# Altium PCB 4G_V4.2_5X4.PcbDoc (part 2 of 5)
Units mm, origin at the board's own origin, x right, y up, seen from the top; angles counter-clockwise.
Board outline 35.5 x 48 mm, 2 copper layers (Top Layer, Bottom Layer); 800 components, 0 nets, 5412 pads, 900 vias.
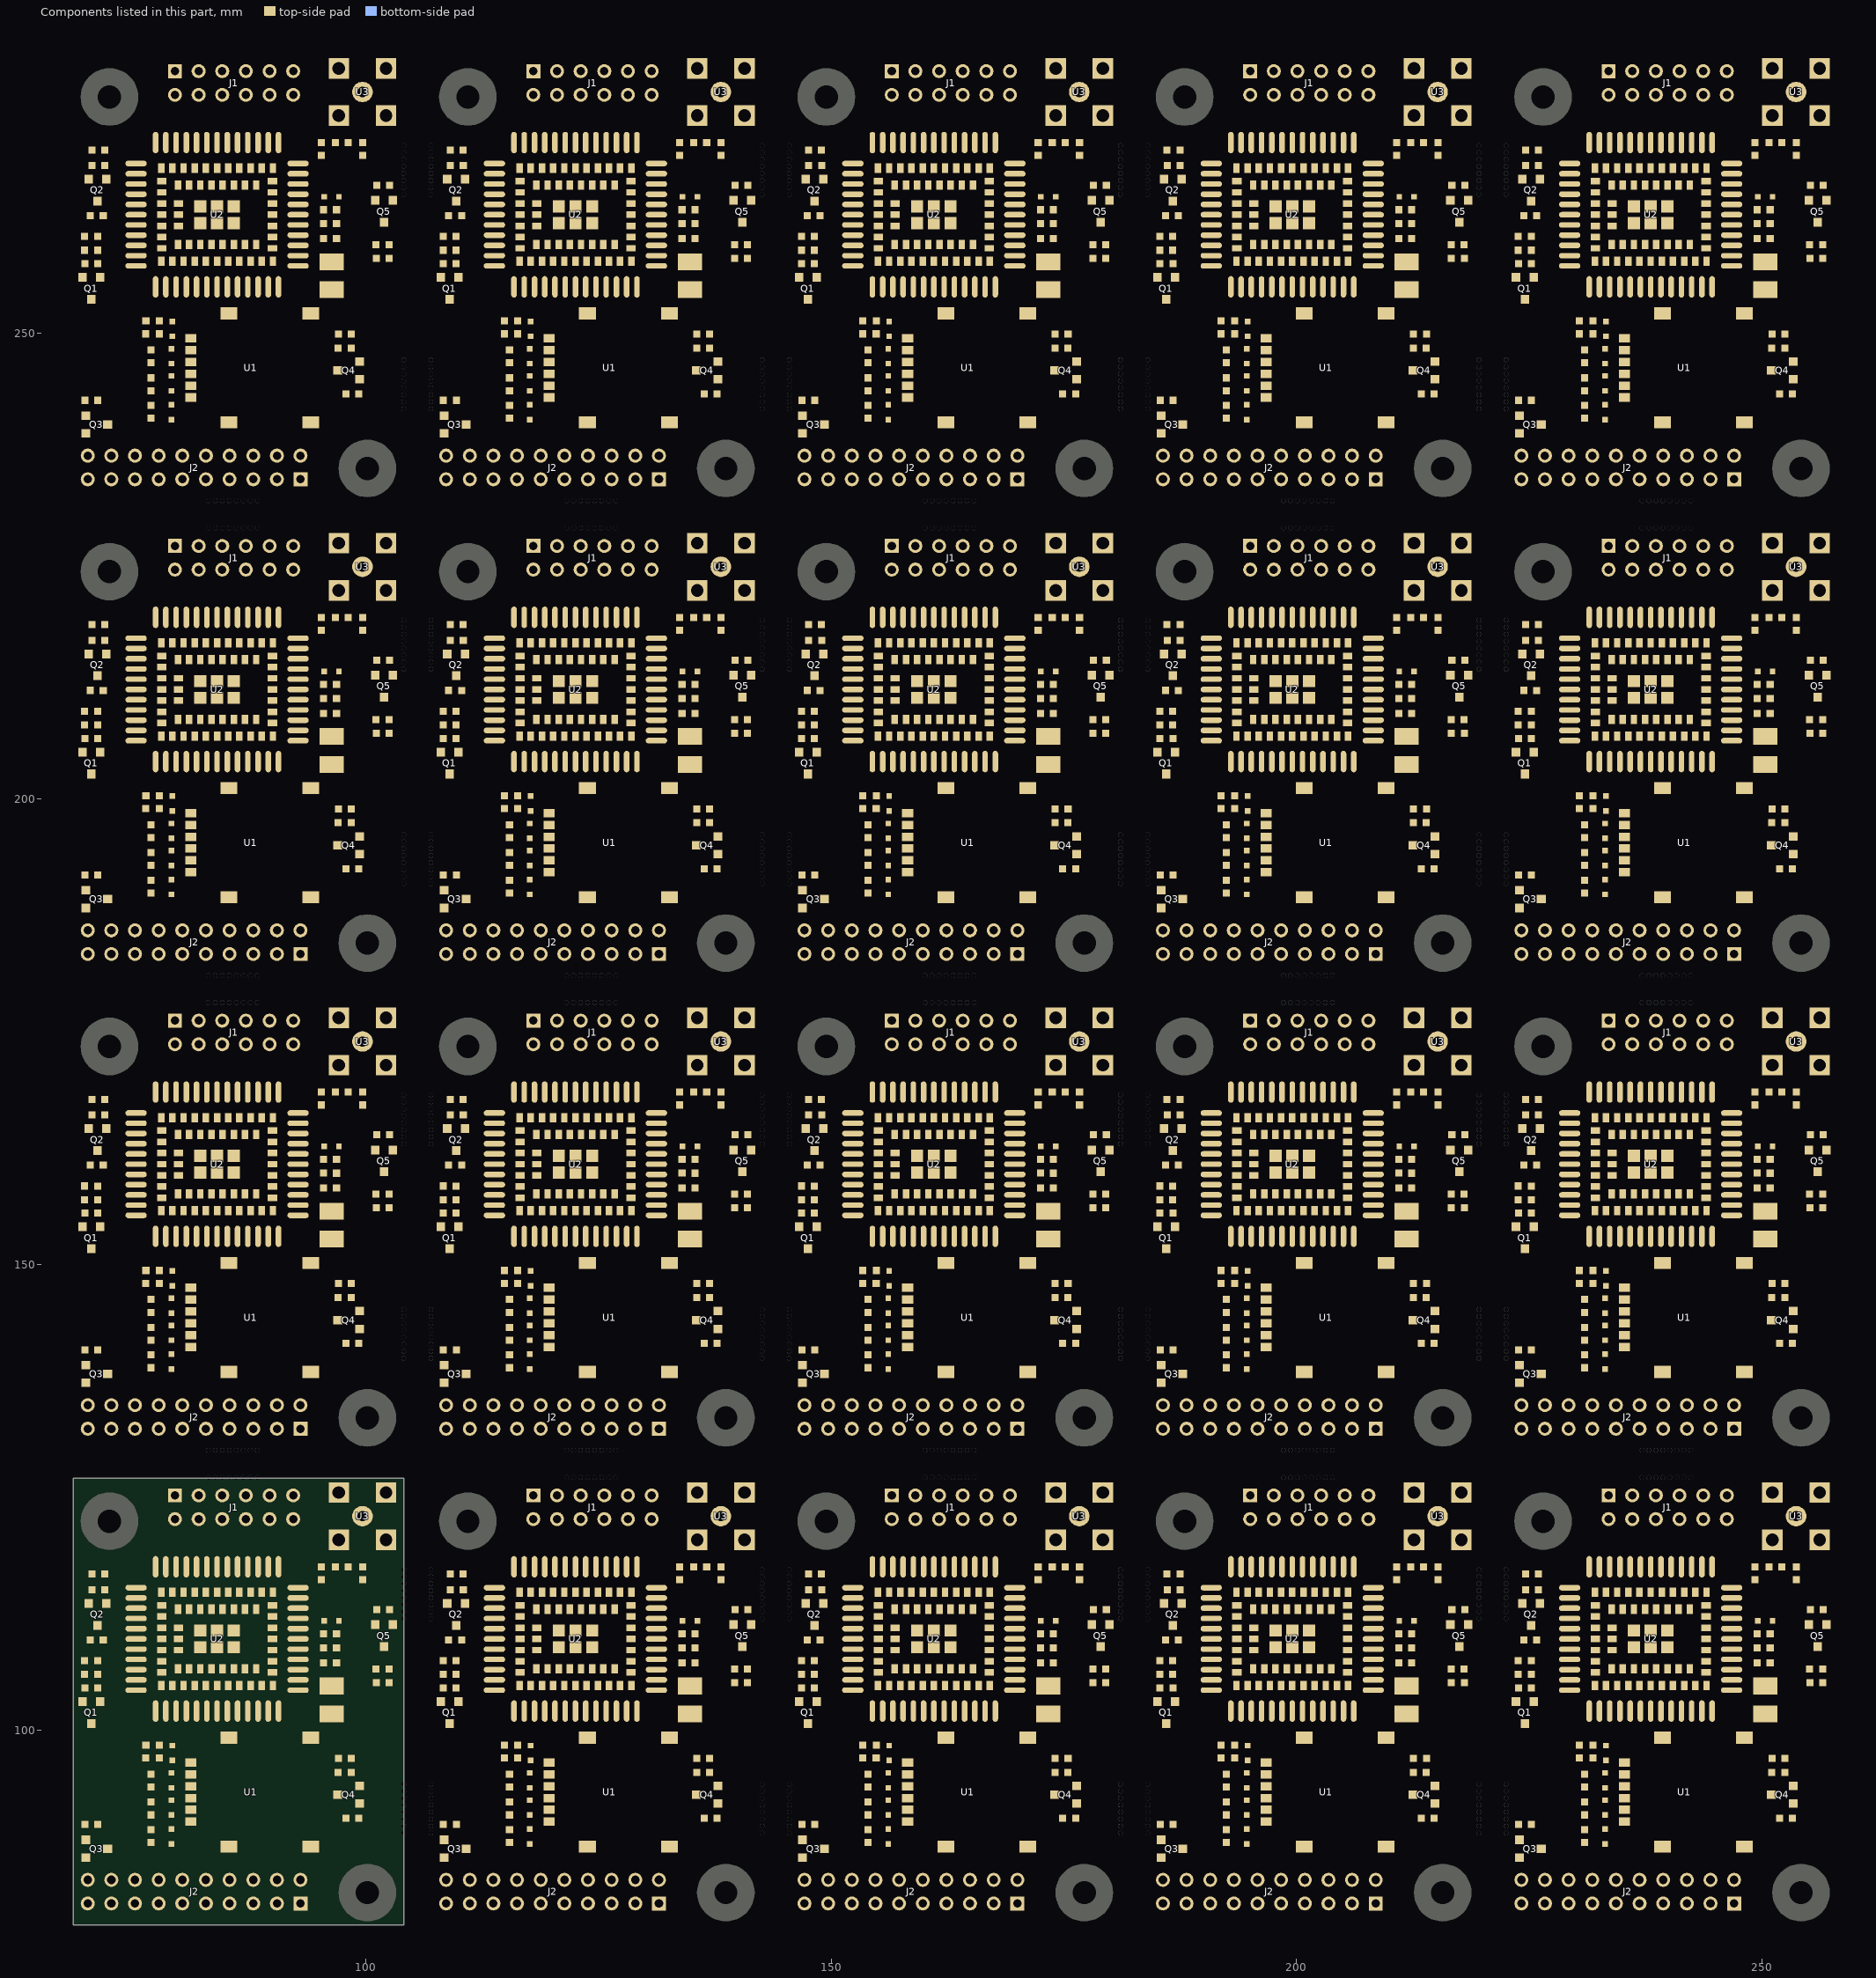
[diagram p2: the components of this part, seen from the top]

## Part data
C1 C1 C1 C1 C1 C1 C1 C1 C1 C1 C1 C1 C1 C1 C1 C1 C1 C1 C1 C1 C2 C2 C2 C2 C2 C2 C2 C2 C2 C2 C2 C2 C2 C2 C2 C2 C2 C2 C2 C2 C3 C3 C3 C3 C3 C3 C3 C3 C3 C3 C3 C3 C3 C3 C3 C3 C3 C3 C3 C3 C4 C4 C4 C4 C4 C4 C4 C4 C4 C4 C4 C4 C4 C4 C4 C4 C4 C4 C4 C4 C5 C5 C5 C5 C5 C5 C5 C5 C5 C5 C5 C5 C5 C5 C5 C5 C5 C5 C5 C5 C6 C6 C6 C6 C6 C6 C6 C6 C6 C6 C6 C6 C6 C6 C6 C6 C6 C6 C6 C6 C7 C7 C7 C7 C7 C7 C7 C7 C7 C7 C7 C7 C7 C7 C7 C7 C7 C7 C7 C7 C8 C8 C8 C8 C8 C8 C8 C8 C8 C8 C8 C8 C8 C8 C8 C8 C8 C8 C8 C8 C10 C10 C10 C10 C10 C10 C10 C10 C10 C10 C10 C10 C10 C10 C10 C10 C10 C10 C10 C10 C11 C11 C11 C11 C11 C11 C11 C11 C11 C11 C11 C11 C11 C11 C11 C11 C11 C11 C11 C11 C12 C12 C12 C12 C12 C12 C12 C12 C12 C12 C12 C12 C12 C12 C12 C12 C12 C12 C12 C12: library part CAP, "无极性电容"
C9 C9 C9 C9 C9 C9 C9 C9 C9 C9 C9 C9 C9 C9 C9 C9 C9 C9 C9 C9: library part "CAP POLAR", "钽电容"
D1 D1 D1 D1 D1 D1 D1 D1 D1 D1 D1 D1 D1 D1 D1 D1 D1 D1 D1 D1 D2 D2 D2 D2 D2 D2 D2 D2 D2 D2 D2 D2 D2 D2 D2 D2 D2 D2 D2 D2 D3 D3 D3 D3 D3 D3 D3 D3 D3 D3 D3 D3 D3 D3 D3 D3 D3 D3 D3 D3 D4 D4 D4 D4 D4 D4 D4 D4 D4 D4 D4 D4 D4 D4 D4 D4 D4 D4 D4 D4 D6 D6 D6 D6 D6 D6 D6 D6 D6 D6 D6 D6 D6 D6 D6 D6 D6 D6 D6 D6: library part TVS, "TVS 瞬态抑制二极管"
D5 D5 D5 D5 D5 D5 D5 D5 D5 D5 D5 D5 D5 D5 D5 D5 D5 D5 D5 D5 D7 D7 D7 D7 D7 D7 D7 D7 D7 D7 D7 D7 D7 D7 D7 D7 D7 D7 D7 D7: library part LED, "发光二极管"
J1 J1 J1 J1 J1 J1 J1 J1 J1 J1 J1 J1 J1 J1 J1 J1 J1 J1 J1 J1: "Header, 6-Pin, Dual row"
J2 J2 J2 J2 J2 J2 J2 J2 J2 J2 J2 J2 J2 J2 J2 J2 J2 J2 J2 J2: "Header, 10-Pin, Dual row"
Q1 Q1 Q1 Q1 Q1 Q1 Q1 Q1 Q1 Q1 Q1 Q1 Q1 Q1 Q1 Q1 Q1 Q1 Q1 Q1 Q2 Q2 Q2 Q2 Q2 Q2 Q2 Q2 Q2 Q2 Q2 Q2 Q2 Q2 Q2 Q2 Q2 Q2 Q2 Q2 Q4 Q4 Q4 Q4 Q4 Q4 Q4 Q4 Q4 Q4 Q4 Q4 Q4 Q4 Q4 Q4 Q4 Q4 Q4 Q4 Q5 Q5 Q5 Q5 Q5 Q5 Q5 Q5 Q5 Q5 Q5 Q5 Q5 Q5 Q5 Q5 Q5 Q5 Q5 Q5: library part S8050, "NPN"
Q3 Q3 Q3 Q3 Q3 Q3 Q3 Q3 Q3 Q3 Q3 Q3 Q3 Q3 Q3 Q3 Q3 Q3 Q3 Q3: "NPN三极管"
R1 R1 R1 R1 R1 R1 R1 R1 R1 R1 R1 R1 R1 R1 R1 R1 R1 R1 R1 R1 R2 R2 R2 R2 R2 R2 R2 R2 R2 R2 R2 R2 R2 R2 R2 R2 R2 R2 R2 R2 R3 R3 R3 R3 R3 R3 R3 R3 R3 R3 R3 R3 R3 R3 R3 R3 R3 R3 R3 R3 R4 R4 R4 R4 R4 R4 R4 R4 R4 R4 R4 R4 R4 R4 R4 R4 R4 R4 R4 R4 R5 R5 R5 R5 R5 R5 R5 R5 R5 R5 R5 R5 R5 R5 R5 R5 R5 R5 R5 R5 R6 R6 R6 R6 R6 R6 R6 R6 R6 R6 R6 R6 R6 R6 R6 R6 R6 R6 R6 R6 R7 R7 R7 R7 R7 R7 R7 R7 R7 R7 R7 R7 R7 R7 R7 R7 R7 R7 R7 R7 R8 R8 R8 R8 R8 R8 R8 R8 R8 R8 R8 R8 R8 R8 R8 R8 R8 R8 R8 R8 R9 R9 R9 R9 R9 R9 R9 R9 R9 R9 R9 R9 R9 R9 R9 R9 R9 R9 R9 R9 R10 R10 R10 R10 R10 R10 R10 R10 R10 R10 R10 R10 R10 R10 R10 R10 R10 R10 R10 R10 R12 R12 R12 R12 R12 R12 R12 R12 R12 R12 R12 R12 R12 R12 R12 R12 R12 R12 R12 R12: library part RES2, "电阻"
U1 U1 U1 U1 U1 U1 U1 U1 U1 U1 U1 U1 U1 U1 U1 U1 U1 U1 U1 U1: "无保护引脚SIM卡座"
U2 U2 U2 U2 U2 U2 U2 U2 U2 U2 U2 U2 U2 U2 U2 U2 U2 U2 U2 U2: "EC800E-CN Module 109PIN 15.8x17.7mm H2.4mm RO"
U3 U3 U3 U3 U3 U3 U3 U3 U3 U3 U3 U3 U3 U3 U3 U3 U3 U3 U3 U3: "天线座"

## Free pads (board coordinates)
  round 6.2 hole 2.5: 1(72.466,122.412) 1(72.466,173.412) 1(72.466,224.412) 1(72.466,275.412) 1(110.966,122.412) 1(110.966,173.412) 1(110.966,224.412) 1(110.966,275.412) 1(149.466,122.412) 1(149.466,173.412) 1(149.466,224.412) 1(149.466,275.412) 1(187.966,122.412) 1(187.966,173.412) 1(187.966,224.412) 1(187.966,275.412) 1(226.466,122.412) 1(226.466,173.412) 1(226.466,224.412) 1(226.466,275.412) 2(100.178,82.509) 2(100.178,133.509) 2(100.178,184.509) 2(100.178,235.509) 2(138.678,82.509) 2(138.678,133.509) 2(138.678,184.509) 2(138.678,235.509) 2(177.178,82.509) 2(177.178,133.509) 2(177.178,184.509) 2(177.178,235.509) 2(215.678,82.509) 2(215.678,133.509) 2(215.678,184.509) 2(215.678,235.509) 2(254.178,82.509) 2(254.178,133.509) 2(254.178,184.509) 2(254.178,235.509)
  round 0.5 hole 0.5: 5(83.083,127.114) 5(83.083,130.035) 5(83.083,178.114) 5(83.083,181.035) 5(83.083,229.114) 5(83.083,232.035) 5(104.08,88.91) 5(104.08,111.947) 5(104.08,139.91) 5(104.08,162.947) 5(104.08,190.91) 5(104.08,213.947) 5(104.08,241.91) 5(104.08,264.947) 5(107.001,88.91) 5(107.001,111.947) 5(107.001,139.91) 5(107.001,162.947) 5(107.001,190.91) 5(107.001,213.947) 5(107.001,241.91) 5(107.001,264.947) 5(121.583,127.114) 5(121.583,130.035) 5(121.583,178.114) 5(121.583,181.035) 5(121.583,229.114) 5(121.583,232.035) 5(142.58,88.91) 5(142.58,111.947) 5(142.58,139.91) 5(142.58,162.947) 5(142.58,190.91) 5(142.58,213.947) 5(142.58,241.91) 5(142.58,264.947) 5(145.501,88.91) 5(145.501,111.947) 5(145.501,139.91) 5(145.501,162.947) 5(145.501,190.91) 5(145.501,213.947) 5(145.501,241.91) 5(145.501,264.947) 5(160.083,127.114) 5(160.083,130.035) 5(160.083,178.114) 5(160.083,181.035) 5(160.083,229.114) 5(160.083,232.035) 5(181.08,88.91) 5(181.08,111.947) 5(181.08,139.91) 5(181.08,162.947) 5(181.08,190.91) 5(181.08,213.947) 5(181.08,241.91) 5(181.08,264.947) 5(184.001,88.91) 5(184.001,111.947) 5(184.001,139.91) 5(184.001,162.947) 5(184.001,190.91) 5(184.001,213.947) 5(184.001,241.91) 5(184.001,264.947) 5(198.583,127.114) 5(198.583,130.035) 5(198.583,178.114) 5(198.583,181.035) 5(198.583,229.114) 5(198.583,232.035) 5(219.58,88.91) 5(219.58,111.947) 5(219.58,139.91) 5(219.58,162.947) 5(219.58,190.91) 5(219.58,213.947) 5(219.58,241.91) 5(219.58,264.947) 5(222.501,88.91) 5(222.501,111.947) 5(222.501,139.91) 5(222.501,162.947) 5(222.501,190.91) 5(222.501,213.947) 5(222.501,241.91) 5(222.501,264.947) 5(237.083,127.114) 5(237.083,130.035) 5(237.083,178.114) 5(237.083,181.035) 5(237.083,229.114) 5(237.083,232.035) 6(83.833,127.114) 6(83.833,130.035) 6(83.833,178.114) 6(83.833,181.035) 6(83.833,229.114) 6(83.833,232.035) 6(104.08,89.66) 6(104.08,112.697) 6(104.08,140.66) 6(104.08,163.697) 6(104.08,191.66) 6(104.08,214.697) 6(104.08,242.66) 6(104.08,265.697) 6(107.001,89.66) 6(107.001,112.697) 6(107.001,140.66) 6(107.001,163.697) 6(107.001,191.66) 6(107.001,214.697) 6(107.001,242.66) 6(107.001,265.697) 6(122.333,127.114) 6(122.333,130.035) 6(122.333,178.114) 6(122.333,181.035) 6(122.333,229.114) 6(122.333,232.035) 6(142.58,89.66) 6(142.58,112.697) 6(142.58,140.66) 6(142.58,163.697) 6(142.58,191.66) 6(142.58,214.697) 6(142.58,242.66) 6(142.58,265.697) 6(145.501,89.66) 6(145.501,112.697) 6(145.501,140.66) 6(145.501,163.697) 6(145.501,191.66) 6(145.501,214.697) 6(145.501,242.66) 6(145.501,265.697) 6(160.833,127.114) 6(160.833,130.035) 6(160.833,178.114) 6(160.833,181.035) 6(160.833,229.114) 6(160.833,232.035) 6(181.08,89.66) 6(181.08,112.697) 6(181.08,140.66) 6(181.08,163.697) 6(181.08,191.66) 6(181.08,214.697) 6(181.08,242.66) 6(181.08,265.697) 6(184.001,89.66) 6(184.001,112.697) 6(184.001,140.66) 6(184.001,163.697) 6(184.001,191.66) 6(184.001,214.697) 6(184.001,242.66) 6(184.001,265.697) 6(199.333,127.114) 6(199.333,130.035) 6(199.333,178.114) 6(199.333,181.035) 6(199.333,229.114) 6(199.333,232.035) 6(219.58,89.66) 6(219.58,112.697) 6(219.58,140.66) 6(219.58,163.697) 6(219.58,191.66) 6(219.58,214.697) 6(219.58,242.66) 6(219.58,265.697) 6(222.501,89.66) 6(222.501,112.697) 6(222.501,140.66) 6(222.501,163.697) 6(222.501,191.66) 6(222.501,214.697) 6(222.501,242.66) 6(222.501,265.697) 6(237.833,127.114) 6(237.833,130.035) 6(237.833,178.114) 6(237.833,181.035) 6(237.833,229.114) 6(237.833,232.035) 7(84.583,127.114) 7(84.583,130.035) 7(84.583,178.114) 7(84.583,181.035) 7(84.583,229.114) 7(84.583,232.035) 7(104.08,90.41) 7(104.08,113.447) 7(104.08,141.41) 7(104.08,164.447) 7(104.08,192.41) 7(104.08,215.447) 7(104.08,243.41) 7(104.08,266.447) 7(107.001,90.41) 7(107.001,113.447) 7(107.001,141.41) 7(107.001,164.447) 7(107.001,192.41) 7(107.001,215.447) 7(107.001,243.41) 7(107.001,266.447) 7(123.083,127.114) 7(123.083,130.035) 7(123.083,178.114) 7(123.083,181.035) 7(123.083,229.114) 7(123.083,232.035) 7(142.58,90.41) 7(142.58,113.447) 7(142.58,141.41) 7(142.58,164.447) 7(142.58,192.41) 7(142.58,215.447) 7(142.58,243.41) 7(142.58,266.447) 7(145.501,90.41) 7(145.501,113.447) 7(145.501,141.41) 7(145.501,164.447) 7(145.501,192.41) 7(145.501,215.447) 7(145.501,243.41) 7(145.501,266.447) 7(161.583,127.114) 7(161.583,130.035) 7(161.583,178.114) 7(161.583,181.035) 7(161.583,229.114) 7(161.583,232.035) 7(181.08,90.41) 7(181.08,113.447) 7(181.08,141.41) 7(181.08,164.447) 7(181.08,192.41) 7(181.08,215.447) 7(181.08,243.41) 7(181.08,266.447) 7(184.001,90.41) 7(184.001,113.447) 7(184.001,141.41) 7(184.001,164.447) 7(184.001,192.41) 7(184.001,215.447) 7(184.001,243.41) 7(184.001,266.447) 7(200.083,127.114) 7(200.083,130.035) 7(200.083,178.114) 7(200.083,181.035) 7(200.083,229.114) 7(200.083,232.035) 7(219.58,90.41) 7(219.58,113.447) 7(219.58,141.41) 7(219.58,164.447) 7(219.58,192.41) 7(219.58,215.447) 7(219.58,243.41) 7(219.58,266.447) 7(222.501,90.41) 7(222.501,113.447) 7(222.501,141.41) 7(222.501,164.447) 7(222.501,192.41) 7(222.501,215.447) 7(222.501,243.41) 7(222.501,266.447) 7(238.583,127.114) 7(238.583,130.035) 7(238.583,178.114) 7(238.583,181.035) 7(238.583,229.114) 7(238.583,232.035) 8(85.333,127.114) 8(85.333,130.035) 8(85.333,178.114) 8(85.333,181.035) 8(85.333,229.114) 8(85.333,232.035) 8(104.08,91.16) 8(104.08,114.197) 8(104.08,142.16) 8(104.08,165.197) 8(104.08,193.16) 8(104.08,216.197) 8(104.08,244.16) 8(104.08,267.197) 8(107.001,91.16) 8(107.001,114.197) 8(107.001,142.16) 8(107.001,165.197) 8(107.001,193.16) 8(107.001,216.197) 8(107.001,244.16) 8(107.001,267.197) 8(123.833,127.114) 8(123.833,130.035) 8(123.833,178.114) 8(123.833,181.035) 8(123.833,229.114) 8(123.833,232.035) 8(142.58,91.16) 8(142.58,114.197) 8(142.58,142.16) 8(142.58,165.197) 8(142.58,193.16) 8(142.58,216.197) 8(142.58,244.16) 8(142.58,267.197) 8(145.501,91.16) 8(145.501,114.197) 8(145.501,142.16) 8(145.501,165.197) 8(145.501,193.16) 8(145.501,216.197) 8(145.501,244.16) 8(145.501,267.197) 8(162.333,127.114) 8(162.333,130.035) 8(162.333,178.114) 8(162.333,181.035) 8(162.333,229.114) 8(162.333,232.035) 8(181.08,91.16) 8(181.08,114.197) 8(181.08,142.16) 8(181.08,165.197) 8(181.08,193.16) 8(181.08,216.197) 8(181.08,244.16) 8(181.08,267.197) 8(184.001,91.16) 8(184.001,114.197) 8(184.001,142.16) 8(184.001,165.197) 8(184.001,193.16) 8(184.001,216.197) 8(184.001,244.16) 8(184.001,267.197) 8(200.833,127.114) 8(200.833,130.035) 8(200.833,178.114) 8(200.833,181.035) 8(200.833,229.114) 8(200.833,232.035) 8(219.58,91.16) 8(219.58,114.197) 8(219.58,142.16) 8(219.58,165.197) 8(219.58,193.16) 8(219.58,216.197) 8(219.58,244.16) 8(219.58,267.197) 8(222.501,91.16) 8(222.501,114.197) 8(222.501,142.16) 8(222.501,165.197) 8(222.501,193.16) 8(222.501,216.197) 8(222.501,244.16) 8(222.501,267.197) 8(239.333,127.114) 8(239.333,130.035) 8(239.333,178.114) 8(239.333,181.035) 8(239.333,229.114) 8(239.333,232.035) 9(86.083,127.114) 9(86.083,130.035) 9(86.083,178.114) 9(86.083,181.035) 9(86.083,229.114) 9(86.083,232.035) 9(104.08,91.91) 9(104.08,114.947) 9(104.08,142.91) 9(104.08,165.947) 9(104.08,193.91) 9(104.08,216.947) 9(104.08,244.91) 9(104.08,267.947) 9(107.001,91.91) 9(107.001,114.947) 9(107.001,142.91) 9(107.001,165.947) 9(107.001,193.91) 9(107.001,216.947) 9(107.001,244.91) 9(107.001,267.947) 9(124.583,127.114) 9(124.583,130.035) 9(124.583,178.114) 9(124.583,181.035) 9(124.583,229.114) 9(124.583,232.035) 9(142.58,91.91) 9(142.58,114.947) 9(142.58,142.91) 9(142.58,165.947) 9(142.58,193.91) 9(142.58,216.947) 9(142.58,244.91) 9(142.58,267.947) 9(145.501,91.91) 9(145.501,114.947) 9(145.501,142.91) 9(145.501,165.947) 9(145.501,193.91) 9(145.501,216.947) 9(145.501,244.91) 9(145.501,267.947) 9(163.083,127.114) 9(163.083,130.035) 9(163.083,178.114) 9(163.083,181.035) 9(163.083,229.114) 9(163.083,232.035) 9(181.08,91.91) 9(181.08,114.947) 9(181.08,142.91) 9(181.08,165.947) 9(181.08,193.91) 9(181.08,216.947) 9(181.08,244.91) 9(181.08,267.947) 9(184.001,91.91) 9(184.001,114.947) 9(184.001,142.91) 9(184.001,165.947) 9(184.001,193.91) 9(184.001,216.947) 9(184.001,244.91) 9(184.001,267.947) 9(201.583,127.114) 9(201.583,130.035) 9(201.583,178.114) 9(201.583,181.035) 9(201.583,229.114) 9(201.583,232.035) 9(219.58,91.91) 9(219.58,114.947) 9(219.58,142.91) 9(219.58,165.947) 9(219.58,193.91) 9(219.58,216.947) 9(219.58,244.91) 9(219.58,267.947) 9(222.501,91.91) 9(222.501,114.947) 9(222.501,142.91) 9(222.501,165.947) 9(222.501,193.91) 9(222.501,216.947) 9(222.501,244.91) 9(222.501,267.947) 9(240.083,127.114) 9(240.083,130.035) 9(240.083,178.114) 9(240.083,181.035) 9(240.083,229.114) 9(240.083,232.035) 10(86.833,127.114) 10(86.833,130.035) 10(86.833,178.114) 10(86.833,181.035) 10(86.833,229.114) 10(86.833,232.035) 10(104.08,92.66) 10(104.08,115.697) 10(104.08,143.66) 10(104.08,166.697) 10(104.08,194.66) 10(104.08,217.697) 10(104.08,245.66) 10(104.08,268.697) 10(107.001,92.66) 10(107.001,115.697) 10(107.001,143.66) 10(107.001,166.697) 10(107.001,194.66) 10(107.001,217.697) 10(107.001,245.66) 10(107.001,268.697) 10(125.333,127.114) 10(125.333,130.035) 10(125.333,178.114) 10(125.333,181.035) 10(125.333,229.114) 10(125.333,232.035) 10(142.58,92.66) 10(142.58,115.697) 10(142.58,143.66) 10(142.58,166.697) 10(142.58,194.66) 10(142.58,217.697) 10(142.58,245.66) 10(142.58,268.697) 10(145.501,92.66) 10(145.501,115.697) 10(145.501,143.66) 10(145.501,166.697) 10(145.501,194.66) 10(145.501,217.697) 10(145.501,245.66) 10(145.501,268.697) 10(163.833,127.114) 10(163.833,130.035) 10(163.833,178.114) 10(163.833,181.035) 10(163.833,229.114) 10(163.833,232.035) 10(181.08,92.66) 10(181.08,115.697) 10(181.08,143.66) 10(181.08,166.697) 10(181.08,194.66) 10(181.08,217.697) 10(181.08,245.66) 10(181.08,268.697) 10(184.001,92.66) 10(184.001,115.697) 10(184.001,143.66) 10(184.001,166.697) 10(184.001,194.66) 10(184.001,217.697) 10(184.001,245.66) 10(184.001,268.697) 10(202.333,127.114) 10(202.333,130.035) 10(202.333,178.114) 10(202.333,181.035) 10(202.333,229.114) 10(202.333,232.035) 10(219.58,92.66) 10(219.58,115.697) 10(219.58,143.66) 10(219.58,166.697) 10(219.58,194.66) 10(219.58,217.697) 10(219.58,245.66) 10(219.58,268.697) 10(222.501,92.66) 10(222.501,115.697) 10(222.501,143.66) 10(222.501,166.697) 10(222.501,194.66) 10(222.501,217.697) 10(222.501,245.66) 10(222.501,268.697) 10(240.833,127.114) 10(240.833,130.035) 10(240.833,178.114) 10(240.833,181.035) 10(240.833,229.114) 10(240.833,232.035) 11(87.583,127.114) 11(87.583,130.035) 11(87.583,178.114) 11(87.583,181.035) 11(87.583,229.114) 11(87.583,232.035) 11(104.08,93.41) 11(104.08,116.447) 11(104.08,144.41) 11(104.08,167.447) 11(104.08,195.41) 11(104.08,218.447) 11(104.08,246.41) 11(104.08,269.447) 11(107.001,93.41) 11(107.001,116.447) 11(107.001,144.41) 11(107.001,167.447) 11(107.001,195.41) 11(107.001,218.447) 11(107.001,246.41) 11(107.001,269.447) 11(126.083,127.114) 11(126.083,130.035) 11(126.083,178.114) 11(126.083,181.035) 11(126.083,229.114) 11(126.083,232.035) 11(142.58,93.41) 11(142.58,116.447) 11(142.58,144.41) 11(142.58,167.447) 11(142.58,195.41) 11(142.58,218.447) 11(142.58,246.41) 11(142.58,269.447) 11(145.501,93.41) 11(145.501,116.447) 11(145.501,144.41) 11(145.501,167.447) 11(145.501,195.41) 11(145.501,218.447) 11(145.501,246.41) 11(145.501,269.447) 11(164.583,127.114) 11(164.583,130.035) 11(164.583,178.114) 11(164.583,181.035) 11(164.583,229.114) 11(164.583,232.035) 11(181.08,93.41) 11(181.08,116.447) 11(181.08,144.41) 11(181.08,167.447) 11(181.08,195.41) 11(181.08,218.447) 11(181.08,246.41) 11(181.08,269.447) 11(184.001,93.41) 11(184.001,116.447) 11(184.001,144.41) 11(184.001,167.447) 11(184.001,195.41) 11(184.001,218.447) 11(184.001,246.41) 11(184.001,269.447) 11(203.083,127.114) 11(203.083,130.035) 11(203.083,178.114) 11(203.083,181.035) 11(203.083,229.114) 11(203.083,232.035) 11(219.58,93.41) 11(219.58,116.447) 11(219.58,144.41) 11(219.58,167.447) 11(219.58,195.41) 11(219.58,218.447) 11(219.58,246.41) 11(219.58,269.447) 11(222.501,93.41) 11(222.501,116.447) 11(222.501,144.41) 11(222.501,167.447) 11(222.501,195.41) 11(222.501,218.447) 11(222.501,246.41) 11(222.501,269.447) 11(241.583,127.114) 11(241.583,130.035) 11(241.583,178.114) 11(241.583,181.035) 11(241.583,229.114) 11(241.583,232.035) 12(88.333,127.114) 12(88.333,130.035) 12(88.333,178.114) 12(88.333,181.035) 12(88.333,229.114) 12(88.333,232.035) 12(104.08,94.16) 12(104.08,117.197) 12(104.08,145.16) 12(104.08,168.197) 12(104.08,196.16) 12(104.08,219.197) 12(104.08,247.16) 12(104.08,270.197) 12(107.001,94.16) 12(107.001,117.197) 12(107.001,145.16) 12(107.001,168.197) 12(107.001,196.16) 12(107.001,219.197) 12(107.001,247.16) 12(107.001,270.197) 12(126.833,127.114) 12(126.833,130.035) 12(126.833,178.114) 12(126.833,181.035) 12(126.833,229.114) 12(126.833,232.035) 12(142.58,94.16) 12(142.58,117.197) 12(142.58,145.16) 12(142.58,168.197) 12(142.58,196.16) 12(142.58,219.197) 12(142.58,247.16) 12(142.58,270.197) 12(145.501,94.16) 12(145.501,117.197) 12(145.501,145.16) 12(145.501,168.197) 12(145.501,196.16) 12(145.501,219.197) 12(145.501,247.16) 12(145.501,270.197) 12(165.333,127.114) 12(165.333,130.035) 12(165.333,178.114) 12(165.333,181.035) 12(165.333,229.114) 12(165.333,232.035) 12(181.08,94.16) 12(181.08,117.197) 12(181.08,145.16) 12(181.08,168.197) 12(181.08,196.16) 12(181.08,219.197) 12(181.08,247.16) 12(181.08,270.197) 12(184.001,94.16) 12(184.001,117.197) 12(184.001,145.16) 12(184.001,168.197) 12(184.001,196.16) 12(184.001,219.197) 12(184.001,247.16) 12(184.001,270.197) 12(203.833,127.114) 12(203.833,130.035) 12(203.833,178.114) 12(203.833,181.035) 12(203.833,229.114) 12(203.833,232.035) 12(219.58,94.16) 12(219.58,117.197) 12(219.58,145.16) 12(219.58,168.197) 12(219.58,196.16) 12(219.58,219.197) 12(219.58,247.16) 12(219.58,270.197) 12(222.501,94.16) 12(222.501,117.197) 12(222.501,145.16) 12(222.501,168.197) 12(222.501,196.16) 12(222.501,219.197) 12(222.501,247.16) 12(222.501,270.197) 12(242.333,127.114) 12(242.333,130.035) 12(242.333,178.114) 12(242.333,181.035) 12(242.333,229.114) 12(242.333,232.035)

## Via types
v1: diameter 0.5, hole 0.3, Top Layer to Bottom Layer, tented both sides, 900 vias

## Nets (pads, with @x,y where several pads share a name; then routed paths per layer and width w, separated by ;. In a path a pad name is that pad's centre, name@x,y a point inside that pad or via, vN(x,y) a via of type N, cw(c..) or ccw(c..) an arc to the next point about the centre after c; other vN are vias at no path point)
pads on no net: C1.1 C1.2 C2.1 C2.2 C3.1 C3.2 C4.1 C4.2 C5.1 C5.2 C6.1 C6.2 C7.1 C7.2 C8.1 C8.2 C9.1 C9.2 C10.1 C10.2 C11.1 C11.2 C12.1 C12.2 D1.1 D1.2 D2.1 D2.2 D3.1 D3.2 D4.1 D4.2 D5.1 D5.2 D6.1 D6.2 D7.1 D7.2 J1.1 J1.2 J1.3 J1.4 J1.5 J1.6 J1.7 J1.8 J1.9 J1.10 J1.11 J1.12 J2.1 J2.2 J2.3 J2.4 J2.5 J2.6 J2.7 J2.8 J2.9 J2.10 J2.11 J2.12 J2.13 J2.14 J2.15 J2.16 J2.17 J2.18 J2.19 J2.20 Q1.1 Q1.2 Q1.3 Q2.1 Q2.2 Q2.3 Q3.1 Q3.2 Q3.3 Q4.1 Q4.2 Q4.3 Q5.1 Q5.2 Q5.3 R1.1 R1.2 R2.1 R2.2 R3.1 R3.2 R4.1 R4.2 R5.1 R5.2 R6.1 R6.2 R7.1 R7.2 R8.1 R8.2 R9.1 R9.2 R10.1 R10.2 R12.1 R12.2 U1.0 U1.1 U1.2 U1.3 U1.4 U1.5 U1.6 U2.1 U2.2 U2.3 U2.4 U2.5 U2.6 U2.7 U2.8 U2.9 U2.10 U2.11 U2.12 U2.13 U2.14 U2.15 U2.16 U2.17 U2.18 U2.19 U2.20 U2.21 U2.22 U2.23 U2.24 U2.25 U2.26 U2.27 U2.28 U2.29 U2.30 U2.31 U2.32 U2.33 U2.34 U2.35 U2.36 U2.37 U2.38 U2.39 U2.40 U2.41 U2.42 U2.43 U2.44 U2.45 U2.46 U2.47 U2.48 U2.49 U2.50 U2.51 U2.52 U2.53 U2.54 U2.55 U2.56 U2.57 U2.58 U2.59 U2.60 U2.61 U2.62 U2.63 U2.64 U2.65 U2.66 U2.67 U2.68 U2.69 U2.70 U2.71 U2.72 U2.73 U2.74 U2.75 U2.76 U2.77 U2.78 U2.79 U2.80 U2.81 U2.82 U2.83 U2.84 U2.85 U2.86 U2.87 U2.88 U2.89 U2.90 U2.91 U2.92 U2.93 U2.94 U2.95 U2.96 U2.97 U2.98 U2.99 U2.100 U2.101 U2.102 U2.103 U2.104 U2.105 U2.106 U2.107 U2.108 U2.109 U3.0 U3.1

## Text inside footprints (layer, text, board x,y; h text height)
U2: Mechanical 5 "94" at 159.223,263.583 h0.1 r270; Mechanical 5 "92" at 161.023,263.583 h0.1 r270; Mechanical 5 "90" at 162.823,263.583 h0.1 r270; Mechanical 5 "93" at 159.223,261.783 h0.1 r270; Mechanical 5 "91" at 161.023,261.783 h0.1 r270; Mechanical 5 "89" at 162.823,261.783 h0.1 r270; Mechanical 5 "79" at 158.023,259.483 h0.1 r270; Mechanical 5 "82" at 158.023,265.883 h0.1 r270; Mechanical 5 "109" at 156.873,263.843 h0.1 r270; Mechanical 5 "81" at 156.823,265.883 h0.1 r270; Mechanical 5 "83" at 159.223,265.883 h0.1 r270; Mechanical 5 "84" at 160.423,265.883 h0.1 r270; Mechanical 5 "85" at 161.623,265.883 h0.1 r270; Mechanical 5 "86" at 162.823,265.883 h0.1 r270; Mechanical 5 "87" at 164.023,265.883 h0.1 r270; Mechanical 5 "108" at 156.873,262.643 h0.1 r270; Mechanical 5 "107" at 156.873,261.443 h0.1 r270; Mechanical 5 "80" at 156.823,259.483 h0.1 r270; Mechanical 5 "78" at 159.223,259.483 h0.1 r270; Mechanical 5 "77" at 160.423,259.483 h0.1 r270; Mechanical 5 "76" at 161.623,259.483 h0.1 r270; Mechanical 5 "75" at 162.823,259.483 h0.1 r270; Mechanical 5 "74" at 164.023,259.483 h0.1 r270; Mechanical 5 "88" at 165.223,265.883 h0.1 r270; Mechanical 5 "73" at 165.223,259.483 h0.1 r270; Mechanical 5 "61" at 158.623,267.683 h0.1 r270; Mechanical 5 "59" at 156.223,267.683 h0.1 r270; Mechanical 5 "60" at 157.423,267.683 h0.1 r270; Mechanical 5 "102" at 155.073,266.243 h0.1 r270; Mechanical 5 "58" at 155.073,265.083 h0.1 r270; Mechanical 5 "57" at 155.073,263.883 h0.1 r270; Mechanical 5 "56" at 155.073,262.683 h0.1 r270; Mechanical 5 "55" at 155.073,261.483 h0.1 r270; Mechanical 5 "54" at 155.073,260.283 h0.1 r270; Mechanical 5 "101" at 155.073,259.043 h0.1 r270; Mechanical 5 "105" at 166.973,266.243 h0.1 r270; Mechanical 5 "68" at 166.973,265.083 h0.1 r270; Mechanical 5 "69" at 166.973,263.883 h0.1 r270; Mechanical 5 "106" at 166.973,259.043 h0.1 r270; Mechanical 5 "103" at 155.023,267.643 h0.1 r270; Mechanical 5 "62" at 159.823,267.683 h0.1 r270; Mechanical 5 "63" at 161.023,267.683 h0.1 r270; Mechanical 5 "64" at 162.223,267.683 h0.1 r270; Mechanical 5 "65" at 163.423,267.683 h0.1 r270; Mechanical 5 "104" at 167.023,267.643 h0.1 r270; Mechanical 5 "100" at 155.023,257.643 h0.1 r270; Mechanical 5 "53" at 156.223,257.683 h0.1 r270; Mechanical 5 "52" at 157.423,257.683 h0.1 r270; Mechanical 5 "51" at 158.623,257.683 h0.1 r270; Mechanical 5 "50" at 159.823,257.683 h0.1 r270; Mechanical 5 "49" at 161.023,257.683 h0.1 r270; Mechanical 5 "99" at 167.023,257.683 h0.1 r270; Mechanical 5 "66" at 164.623,267.683 h0.1 r270; Mechanical 5 "67" at 165.823,267.683 h0.1 r270; Mechanical 5 "45" at 165.823,257.683 h0.1 r270; Mechanical 5 "70" at 166.973,262.683 h0.1 r270; Mechanical 5 "71" at 166.973,261.483 h0.1 r270; Mechanical 5 "72" at 166.973,260.283 h0.1 r270; Mechanical 5 "48" at 162.223,257.683 h0.1 r270; Mechanical 5 "47" at 163.423,257.683 h0.1 r270; Mechanical 5 "46" at 164.623,257.683 h0.1 r270; Mechanical 5 "24" at 155.523,270.433 h0.1 r270; Mechanical 5 "42" at 169.723,260.483 h0.1 r270; Mechanical 5 "43" at 169.723,259.383 h0.1 r270; Mechanical 5 "14" at 152.323,258.283 h0.1 r270; Mechanical 5 "12" at 155.523,254.933 h0.1 r270; Mechanical 5 "11" at 156.623,254.933 h0.1 r270; Mechanical 5 "13" at 154.423,254.933 h0.1 r270; Mechanical 5 "25" at 156.623,270.433 h0.1 r270; Mechanical 5 "15" at 152.323,259.383 h0.1 r270; Mechanical 5 "97" at 169.723,268.183 h0.1 r270; Mechanical 5 "44" at 169.723,258.283 h0.1 r270; Mechanical 5 "26" at 157.723,270.433 h0.1 r270; Mechanical 5 "9" at 158.823,254.973 h0.1 r270; Mechanical 5 "8" at 159.923,254.973 h0.1 r270; Mechanical 5 "6" at 162.123,254.973 h0.1 r270; Mechanical 5 "5" at 163.223,254.973 h0.1 r270; Mechanical 5 "4" at 164.323,254.973 h0.1 r270; Mechanical 5 "96" at 152.323,268.183 h0.1 r270; Mechanical 5 "95" at 152.323,257.183 h0.1 r270; Mechanical 5 "3" at 165.423,254.973 h0.1 r270; Mechanical 5 "7" at 161.023,254.973 h0.1 r270; Mechanical 5 "31" at 163.223,270.433 h0.1 r270; Mechanical 5 "33" at 165.423,270.433 h0.1 r270; Mechanical 5 "32" at 164.323,270.433 h0.1 r270; Mechanical 5 "30" at 162.123,270.433 h0.1 r270; Mechanical 5 "16" at 152.323,260.483 h0.1 r270; Mechanical 5 "18" at 152.323,262.683 h0.1 r270; Mechanical 5 "17" at 152.323,261.583 h0.1 r270; Mechanical 5 "23" at 154.423,270.433 h0.1 r270; Mechanical 5 "20" at 152.323,264.883 h0.1 r270; Mechanical 5 "19" at 152.323,263.783 h0.1 r270; Mechanical 5 "21" at 152.323,265.983 h0.1 r270; Mechanical 5 "22" at 152.323,267.083 h0.1 r270; Mechanical 5 "36" at 169.723,267.083 h0.1 r270; Mechanical 5 "37" at 169.723,265.983 h0.1 r270; Mechanical 5 "40" at 169.723,262.683 h0.1 r270; Mechanical 5 "41" at 169.723,261.583 h0.1 r270; Mechanical 5 "27" at 158.823,270.433 h0.1 r270; Mechanical 5 "34" at 166.523,270.433 h0.1 r270; Mechanical 5 "10" at 157.723,254.933 h0.1 r270; Mechanical 5 "1" at 167.623,254.973 h0.1 r270; Mechanical 5 "39" at 169.723,263.783 h0.1 r270; Mechanical 5 "38" at 169.723,264.883 h0.1 r270; Mechanical 5 "29" at 161.023,270.433 h0.1 r270; Mechanical 5 "28" at 159.923,270.433 h0.1 r270; Mechanical 5 "98" at 169.723,257.183 h0.1 r270; Mechanical 5 "35" at 167.623,270.433 h0.1 r270; Mechanical 5 "2" at 166.523,254.973 h0.1 r270
U2: Mechanical 5 "94" at 159.223,212.583 h0.1 r270; Mechanical 5 "92" at 161.023,212.583 h0.1 r270; Mechanical 5 "90" at 162.823,212.583 h0.1 r270; Mechanical 5 "93" at 159.223,210.783 h0.1 r270; Mechanical 5 "91" at 161.023,210.783 h0.1 r270; Mechanical 5 "89" at 162.823,210.783 h0.1 r270; Mechanical 5 "79" at 158.023,208.483 h0.1 r270; Mechanical 5 "82" at 158.023,214.883 h0.1 r270; Mechanical 5 "109" at 156.873,212.843 h0.1 r270; Mechanical 5 "81" at 156.823,214.883 h0.1 r270; Mechanical 5 "83" at 159.223,214.883 h0.1 r270; Mechanical 5 "84" at 160.423,214.883 h0.1 r270; Mechanical 5 "85" at 161.623,214.883 h0.1 r270; Mechanical 5 "86" at 162.823,214.883 h0.1 r270; Mechanical 5 "87" at 164.023,214.883 h0.1 r270; Mechanical 5 "108" at 156.873,211.643 h0.1 r270; Mechanical 5 "107" at 156.873,210.443 h0.1 r270; Mechanical 5 "80" at 156.823,208.483 h0.1 r270; Mechanical 5 "78" at 159.223,208.483 h0.1 r270; Mechanical 5 "77" at 160.423,208.483 h0.1 r270; Mechanical 5 "76" at 161.623,208.483 h0.1 r270; Mechanical 5 "75" at 162.823,208.483 h0.1 r270; Mechanical 5 "74" at 164.023,208.483 h0.1 r270; Mechanical 5 "88" at 165.223,214.883 h0.1 r270; Mechanical 5 "73" at 165.223,208.483 h0.1 r270; Mechanical 5 "61" at 158.623,216.683 h0.1 r270; Mechanical 5 "59" at 156.223,216.683 h0.1 r270; Mechanical 5 "60" at 157.423,216.683 h0.1 r270; Mechanical 5 "102" at 155.073,215.243 h0.1 r270; Mechanical 5 "58" at 155.073,214.083 h0.1 r270; Mechanical 5 "57" at 155.073,212.883 h0.1 r270; Mechanical 5 "56" at 155.073,211.683 h0.1 r270; Mechanical 5 "55" at 155.073,210.483 h0.1 r270; Mechanical 5 "54" at 155.073,209.283 h0.1 r270; Mechanical 5 "101" at 155.073,208.043 h0.1 r270; Mechanical 5 "105" at 166.973,215.243 h0.1 r270; Mechanical 5 "68" at 166.973,214.083 h0.1 r270; Mechanical 5 "69" at 166.973,212.883 h0.1 r270; Mechanical 5 "106" at 166.973,208.043 h0.1 r270; Mechanical 5 "103" at 155.023,216.643 h0.1 r270; Mechanical 5 "62" at 159.823,216.683 h0.1 r270; Mechanical 5 "63" at 161.023,216.683 h0.1 r270; Mechanical 5 "64" at 162.223,216.683 h0.1 r270; Mechanical 5 "65" at 163.423,216.683 h0.1 r270; Mechanical 5 "104" at 167.023,216.643 h0.1 r270; Mechanical 5 "100" at 155.023,206.643 h0.1 r270; Mechanical 5 "53" at 156.223,206.683 h0.1 r270; Mechanical 5 "52" at 157.423,206.683 h0.1 r270; Mechanical 5 "51" at 158.623,206.683 h0.1 r270; Mechanical 5 "50" at 159.823,206.683 h0.1 r270; Mechanical 5 "49" at 161.023,206.683 h0.1 r270; Mechanical 5 "99" at 167.023,206.683 h0.1 r270; Mechanical 5 "66" at 164.623,216.683 h0.1 r270; Mechanical 5 "67" at 165.823,216.683 h0.1 r270; Mechanical 5 "45" at 165.823,206.683 h0.1 r270; Mechanical 5 "70" at 166.973,211.683 h0.1 r270; Mechanical 5 "71" at 166.973,210.483 h0.1 r270; Mechanical 5 "72" at 166.973,209.283 h0.1 r270; Mechanical 5 "48" at 162.223,206.683 h0.1 r270; Mechanical 5 "47" at 163.423,206.683 h0.1 r270; Mechanical 5 "46" at 164.623,206.683 h0.1 r270; Mechanical 5 "24" at 155.523,219.433 h0.1 r270; Mechanical 5 "42" at 169.723,209.483 h0.1 r270; Mechanical 5 "43" at 169.723,208.383 h0.1 r270; Mechanical 5 "14" at 152.323,207.283 h0.1 r270; Mechanical 5 "12" at 155.523,203.933 h0.1 r270; Mechanical 5 "11" at 156.623,203.933 h0.1 r270; Mechanical 5 "13" at 154.423,203.933 h0.1 r270; Mechanical 5 "25" at 156.623,219.433 h0.1 r270; Mechanical 5 "15" at 152.323,208.383 h0.1 r270; Mechanical 5 "97" at 169.723,217.183 h0.1 r270; Mechanical 5 "44" at 169.723,207.283 h0.1 r270; Mechanical 5 "26" at 157.723,219.433 h0.1 r270; Mechanical 5 "9" at 158.823,203.973 h0.1 r270; Mechanical 5 "8" at 159.923,203.973 h0.1 r270; Mechanical 5 "6" at 162.123,203.973 h0.1 r270; Mechanical 5 "5" at 163.223,203.973 h0.1 r270; Mechanical 5 "4" at 164.323,203.973 h0.1 r270; Mechanical 5 "96" at 152.323,217.183 h0.1 r270; Mechanical 5 "95" at 152.323,206.183 h0.1 r270; Mechanical 5 "3" at 165.423,203.973 h0.1 r270; Mechanical 5 "7" at 161.023,203.973 h0.1 r270; Mechanical 5 "31" at 163.223,219.433 h0.1 r270; Mechanical 5 "33" at 165.423,219.433 h0.1 r270; Mechanical 5 "32" at 164.323,219.433 h0.1 r270; Mechanical 5 "30" at 162.123,219.433 h0.1 r270; Mechanical 5 "16" at 152.323,209.483 h0.1 r270; Mechanical 5 "18" at 152.323,211.683 h0.1 r270; Mechanical 5 "17" at 152.323,210.583 h0.1 r270; Mechanical 5 "23" at 154.423,219.433 h0.1 r270; Mechanical 5 "20" at 152.323,213.883 h0.1 r270; Mechanical 5 "19" at 152.323,212.783 h0.1 r270; Mechanical 5 "21" at 152.323,214.983 h0.1 r270; Mechanical 5 "22" at 152.323,216.083 h0.1 r270; Mechanical 5 "36" at 169.723,216.083 h0.1 r270; Mechanical 5 "37" at 169.723,214.983 h0.1 r270; Mechanical 5 "40" at 169.723,211.683 h0.1 r270; Mechanical 5 "41" at 169.723,210.583 h0.1 r270; Mechanical 5 "27" at 158.823,219.433 h0.1 r270; Mechanical 5 "34" at 166.523,219.433 h0.1 r270; Mechanical 5 "10" at 157.723,203.933 h0.1 r270; Mechanical 5 "1" at 167.623,203.973 h0.1 r270; Mechanical 5 "39" at 169.723,212.783 h0.1 r270; Mechanical 5 "38" at 169.723,213.883 h0.1 r270; Mechanical 5 "29" at 161.023,219.433 h0.1 r270; Mechanical 5 "28" at 159.923,219.433 h0.1 r270; Mechanical 5 "98" at 169.723,206.183 h0.1 r270; Mechanical 5 "35" at 167.623,219.433 h0.1 r270; Mechanical 5 "2" at 166.523,203.973 h0.1 r270
U2: Mechanical 5 "94" at 159.223,161.583 h0.1 r270; Mechanical 5 "92" at 161.023,161.583 h0.1 r270; Mechanical 5 "90" at 162.823,161.583 h0.1 r270; Mechanical 5 "93" at 159.223,159.783 h0.1 r270; Mechanical 5 "91" at 161.023,159.783 h0.1 r270; Mechanical 5 "89" at 162.823,159.783 h0.1 r270; Mechanical 5 "79" at 158.023,157.483 h0.1 r270; Mechanical 5 "82" at 158.023,163.883 h0.1 r270; Mechanical 5 "109" at 156.873,161.843 h0.1 r270; Mechanical 5 "81" at 156.823,163.883 h0.1 r270; Mechanical 5 "83" at 159.223,163.883 h0.1 r270; Mechanical 5 "84" at 160.423,163.883 h0.1 r270; Mechanical 5 "85" at 161.623,163.883 h0.1 r270; Mechanical 5 "86" at 162.823,163.883 h0.1 r270; Mechanical 5 "87" at 164.023,163.883 h0.1 r270; Mechanical 5 "108" at 156.873,160.643 h0.1 r270; Mechanical 5 "107" at 156.873,159.443 h0.1 r270; Mechanical 5 "80" at 156.823,157.483 h0.1 r270; Mechanical 5 "78" at 159.223,157.483 h0.1 r270; Mechanical 5 "77" at 160.423,157.483 h0.1 r270; Mechanical 5 "76" at 161.623,157.483 h0.1 r270; Mechanical 5 "75" at 162.823,157.483 h0.1 r270; Mechanical 5 "74" at 164.023,157.483 h0.1 r270; Mechanical 5 "88" at 165.223,163.883 h0.1 r270; Mechanical 5 "73" at 165.223,157.483 h0.1 r270; Mechanical 5 "61" at 158.623,165.683 h0.1 r270; Mechanical 5 "59" at 156.223,165.683 h0.1 r270; Mechanical 5 "60" at 157.423,165.683 h0.1 r270; Mechanical 5 "102" at 155.073,164.243 h0.1 r270; Mechanical 5 "58" at 155.073,163.083 h0.1 r270; Mechanical 5 "57" at 155.073,161.883 h0.1 r270; Mechanical 5 "56" at 155.073,160.683 h0.1 r270; Mechanical 5 "55" at 155.073,159.483 h0.1 r270; Mechanical 5 "54" at 155.073,158.283 h0.1 r270; Mechanical 5 "101" at 155.073,157.043 h0.1 r270; Mechanical 5 "105" at 166.973,164.243 h0.1 r270; Mechanical 5 "68" at 166.973,163.083 h0.1 r270; Mechanical 5 "69" at 166.973,161.883 h0.1 r270; Mechanical 5 "106" at 166.973,157.043 h0.1 r270; Mechanical 5 "103" at 155.023,165.643 h0.1 r270; Mechanical 5 "62" at 159.823,165.683 h0.1 r270; Mechanical 5 "63" at 161.023,165.683 h0.1 r270; Mechanical 5 "64" at 162.223,165.683 h0.1 r270; Mechanical 5 "65" at 163.423,165.683 h0.1 r270; Mechanical 5 "104" at 167.023,165.643 h0.1 r270; Mechanical 5 "100" at 155.023,155.643 h0.1 r270; Mechanical 5 "53" at 156.223,155.683 h0.1 r270; Mechanical 5 "52" at 157.423,155.683 h0.1 r270; Mechanical 5 "51" at 158.623,155.683 h0.1 r270; Mechanical 5 "50" at 159.823,155.683 h0.1 r270; Mechanical 5 "49" at 161.023,155.683 h0.1 r270; Mechanical 5 "99" at 167.023,155.683 h0.1 r270; Mechanical 5 "66" at 164.623,165.683 h0.1 r270; Mechanical 5 "67" at 165.823,165.683 h0.1 r270; Mechanical 5 "45" at 165.823,155.683 h0.1 r270; Mechanical 5 "70" at 166.973,160.683 h0.1 r270; Mechanical 5 "71" at 166.973,159.483 h0.1 r270; Mechanical 5 "72" at 166.973,158.283 h0.1 r270; Mechanical 5 "48" at 162.223,155.683 h0.1 r270; Mechanical 5 "47" at 163.423,155.683 h0.1 r270; Mechanical 5 "46" at 164.623,155.683 h0.1 r270; Mechanical 5 "24" at 155.523,168.433 h0.1 r270; Mechanical 5 "42" at 169.723,158.483 h0.1 r270; Mechanical 5 "43" at 169.723,157.383 h0.1 r270; Mechanical 5 "14" at 152.323,156.283 h0.1 r270; Mechanical 5 "12" at 155.523,152.933 h0.1 r270; Mechanical 5 "11" at 156.623,152.933 h0.1 r270; Mechanical 5 "13" at 154.423,152.933 h0.1 r270; Mechanical 5 "25" at 156.623,168.433 h0.1 r270; Mechanical 5 "15" at 152.323,157.383 h0.1 r270; Mechanical 5 "97" at 169.723,166.183 h0.1 r270; Mechanical 5 "44" at 169.723,156.283 h0.1 r270; Mechanical 5 "26" at 157.723,168.433 h0.1 r270; Mechanical 5 "9" at 158.823,152.973 h0.1 r270; Mechanical 5 "8" at 159.923,152.973 h0.1 r270; Mechanical 5 "6" at 162.123,152.973 h0.1 r270; Mechanical 5 "5" at 163.223,152.973 h0.1 r270; Mechanical 5 "4" at 164.323,152.973 h0.1 r270; Mechanical 5 "96" at 152.323,166.183 h0.1 r270; Mechanical 5 "95" at 152.323,155.183 h0.1 r270; Mechanical 5 "3" at 165.423,152.973 h0.1 r270; Mechanical 5 "7" at 161.023,152.973 h0.1 r270; Mechanical 5 "31" at 163.223,168.433 h0.1 r270; Mechanical 5 "33" at 165.423,168.433 h0.1 r270; Mechanical 5 "32" at 164.323,168.433 h0.1 r270; Mechanical 5 "30" at 162.123,168.433 h0.1 r270; Mechanical 5 "16" at 152.323,158.483 h0.1 r270; Mechanical 5 "18" at 152.323,160.683 h0.1 r270; Mechanical 5 "17" at 152.323,159.583 h0.1 r270; Mechanical 5 "23" at 154.423,168.433 h0.1 r270; Mechanical 5 "20" at 152.323,162.883 h0.1 r270; Mechanical 5 "19" at 152.323,161.783 h0.1 r270; Mechanical 5 "21" at 152.323,163.983 h0.1 r270; Mechanical 5 "22" at 152.323,165.083 h0.1 r270; Mechanical 5 "36" at 169.723,165.083 h0.1 r270; Mechanical 5 "37" at 169.723,163.983 h0.1 r270; Mechanical 5 "40" at 169.723,160.683 h0.1 r270; Mechanical 5 "41" at 169.723,159.583 h0.1 r270; Mechanical 5 "27" at 158.823,168.433 h0.1 r270; Mechanical 5 "34" at 166.523,168.433 h0.1 r270; Mechanical 5 "10" at 157.723,152.933 h0.1 r270; Mechanical 5 "1" at 167.623,152.973 h0.1 r270; Mechanical 5 "39" at 169.723,161.783 h0.1 r270; Mechanical 5 "38" at 169.723,162.883 h0.1 r270; Mechanical 5 "29" at 161.023,168.433 h0.1 r270; Mechanical 5 "28" at 159.923,168.433 h0.1 r270; Mechanical 5 "98" at 169.723,155.183 h0.1 r270; Mechanical 5 "35" at 167.623,168.433 h0.1 r270; Mechanical 5 "2" at 166.523,152.973 h0.1 r270
U2: Mechanical 5 "94" at 159.223,110.583 h0.1 r270; Mechanical 5 "92" at 161.023,110.583 h0.1 r270; Mechanical 5 "90" at 162.823,110.583 h0.1 r270; Mechanical 5 "93" at 159.223,108.783 h0.1 r270; Mechanical 5 "91" at 161.023,108.783 h0.1 r270; Mechanical 5 "89" at 162.823,108.783 h0.1 r270; Mechanical 5 "79" at 158.023,106.483 h0.1 r270; Mechanical 5 "82" at 158.023,112.883 h0.1 r270; Mechanical 5 "109" at 156.873,110.843 h0.1 r270; Mechanical 5 "81" at 156.823,112.883 h0.1 r270; Mechanical 5 "83" at 159.223,112.883 h0.1 r270; Mechanical 5 "84" at 160.423,112.883 h0.1 r270; Mechanical 5 "85" at 161.623,112.883 h0.1 r270; Mechanical 5 "86" at 162.823,112.883 h0.1 r270; Mechanical 5 "87" at 164.023,112.883 h0.1 r270; Mechanical 5 "108" at 156.873,109.643 h0.1 r270; Mechanical 5 "107" at 156.873,108.443 h0.1 r270; Mechanical 5 "80" at 156.823,106.483 h0.1 r270; Mechanical 5 "78" at 159.223,106.483 h0.1 r270; Mechanical 5 "77" at 160.423,106.483 h0.1 r270; Mechanical 5 "76" at 161.623,106.483 h0.1 r270; Mechanical 5 "75" at 162.823,106.483 h0.1 r270; Mechanical 5 "74" at 164.023,106.483 h0.1 r270; Mechanical 5 "88" at 165.223,112.883 h0.1 r270; Mechanical 5 "73" at 165.223,106.483 h0.1 r270; Mechanical 5 "61" at 158.623,114.683 h0.1 r270; Mechanical 5 "59" at 156.223,114.683 h0.1 r270; Mechanical 5 "60" at 157.423,114.683 h0.1 r270; Mechanical 5 "102" at 155.073,113.243 h0.1 r270; Mechanical 5 "58" at 155.073,112.083 h0.1 r270; Mechanical 5 "57" at 155.073,110.883 h0.1 r270; Mechanical 5 "56" at 155.073,109.683 h0.1 r270; Mechanical 5 "55" at 155.073,108.483 h0.1 r270; Mechanical 5 "54" at 155.073,107.283 h0.1 r270; Mechanical 5 "101" at 155.073,106.043 h0.1 r270; Mechanical 5 "105" at 166.973,113.243 h0.1 r270; Mechanical 5 "68" at 166.973,112.083 h0.1 r270; Mechanical 5 "69" at 166.973,110.883 h0.1 r270; Mechanical 5 "106" at 166.973,106.043 h0.1 r270; Mechanical 5 "103" at 155.023,114.643 h0.1 r270; Mechanical 5 "62" at 159.823,114.683 h0.1 r270; Mechanical 5 "63" at 161.023,114.683 h0.1 r270; Mechanical 5 "64" at 162.223,114.683 h0.1 r270; Mechanical 5 "65" at 163.423,114.683 h0.1 r270; Mechanical 5 "104" at 167.023,114.643 h0.1 r270; Mechanical 5 "100" at 155.023,104.643 h0.1 r270; Mechanical 5 "53" at 156.223,104.683 h0.1 r270; Mechanical 5 "52" at 157.423,104.683 h0.1 r270; Mechanical 5 "51" at 158.623,104.683 h0.1 r270; Mechanical 5 "50" at 159.823,104.683 h0.1 r270; Mechanical 5 "49" at 161.023,104.683 h0.1 r270; Mechanical 5 "99" at 167.023,104.683 h0.1 r270; Mechanical 5 "66" at 164.623,114.683 h0.1 r270; Mechanical 5 "67" at 165.823,114.683 h0.1 r270; Mechanical 5 "45" at 165.823,104.683 h0.1 r270; Mechanical 5 "70" at 166.973,109.683 h0.1 r270; Mechanical 5 "71" at 166.973,108.483 h0.1 r270; Mechanical 5 "72" at 166.973,107.283 h0.1 r270; Mechanical 5 "48" at 162.223,104.683 h0.1 r270; Mechanical 5 "47" at 163.423,104.683 h0.1 r270; Mechanical 5 "46" at 164.623,104.683 h0.1 r270; Mechanical 5 "24" at 155.523,117.433 h0.1 r270; Mechanical 5 "42" at 169.723,107.483 h0.1 r270; Mechanical 5 "43" at 169.723,106.383 h0.1 r270; Mechanical 5 "14" at 152.323,105.283 h0.1 r270; Mechanical 5 "12" at 155.523,101.933 h0.1 r270; Mechanical 5 "11" at 156.623,101.933 h0.1 r270; Mechanical 5 "13" at 154.423,101.933 h0.1 r270; Mechanical 5 "25" at 156.623,117.433 h0.1 r270; Mechanical 5 "15" at 152.323,106.383 h0.1 r270; Mechanical 5 "97" at 169.723,115.183 h0.1 r270; Mechanical 5 "44" at 169.723,105.283 h0.1 r270; Mechanical 5 "26" at 157.723,117.433 h0.1 r270; Mechanical 5 "9" at 158.823,101.973 h0.1 r270; Mechanical 5 "8" at 159.923,101.973 h0.1 r270; Mechanical 5 "6" at 162.123,101.973 h0.1 r270; Mechanical 5 "5" at 163.223,101.973 h0.1 r270; Mechanical 5 "4" at 164.323,101.973 h0.1 r270; Mechanical 5 "96" at 152.323,115.183 h0.1 r270; Mechanical 5 "95" at 152.323,104.183 h0.1 r270; Mechanical 5 "3" at 165.423,101.973 h0.1 r270; Mechanical 5 "7" at 161.023,101.973 h0.1 r270; Mechanical 5 "31" at 163.223,117.433 h0.1 r270; Mechanical 5 "33" at 165.423,117.433 h0.1 r270; Mechanical 5 "32" at 164.323,117.433 h0.1 r270; Mechanical 5 "30" at 162.123,117.433 h0.1 r270; Mechanical 5 "16" at 152.323,107.483 h0.1 r270; Mechanical 5 "18" at 152.323,109.683 h0.1 r270; Mechanical 5 "17" at 152.323,108.583 h0.1 r270; Mechanical 5 "23" at 154.423,117.433 h0.1 r270; Mechanical 5 "20" at 152.323,111.883 h0.1 r270; Mechanical 5 "19" at 152.323,110.783 h0.1 r270; Mechanical 5 "21" at 152.323,112.983 h0.1 r270; Mechanical 5 "22" at 152.323,114.083 h0.1 r270; Mechanical 5 "36" at 169.723,114.083 h0.1 r270; Mechanical 5 "37" at 169.723,112.983 h0.1 r270; Mechanical 5 "40" at 169.723,109.683 h0.1 r270; Mechanical 5 "41" at 169.723,108.583 h0.1 r270; Mechanical 5 "27" at 158.823,117.433 h0.1 r270; Mechanical 5 "34" at 166.523,117.433 h0.1 r270; Mechanical 5 "10" at 157.723,101.933 h0.1 r270; Mechanical 5 "1" at 167.623,101.973 h0.1 r270; Mechanical 5 "39" at 169.723,110.783 h0.1 r270; Mechanical 5 "38" at 169.723,111.883 h0.1 r270; Mechanical 5 "29" at 161.023,117.433 h0.1 r270; Mechanical 5 "28" at 159.923,117.433 h0.1 r270; Mechanical 5 "98" at 169.723,104.183 h0.1 r270; Mechanical 5 "35" at 167.623,117.433 h0.1 r270; Mechanical 5 "2" at 166.523,101.973 h0.1 r270